# Altium PCB PCB_B1.PcbDoc (part 2 of 2)
Units mm, origin at the board's own origin, x right, y up, seen from the top; angles counter-clockwise.
Board outline 90 x 90 mm, 2 copper layers (Top Layer, Bottom Layer), stack 1.571 mm thick; 101 components, 77 nets, 393 pads, 275 vias.
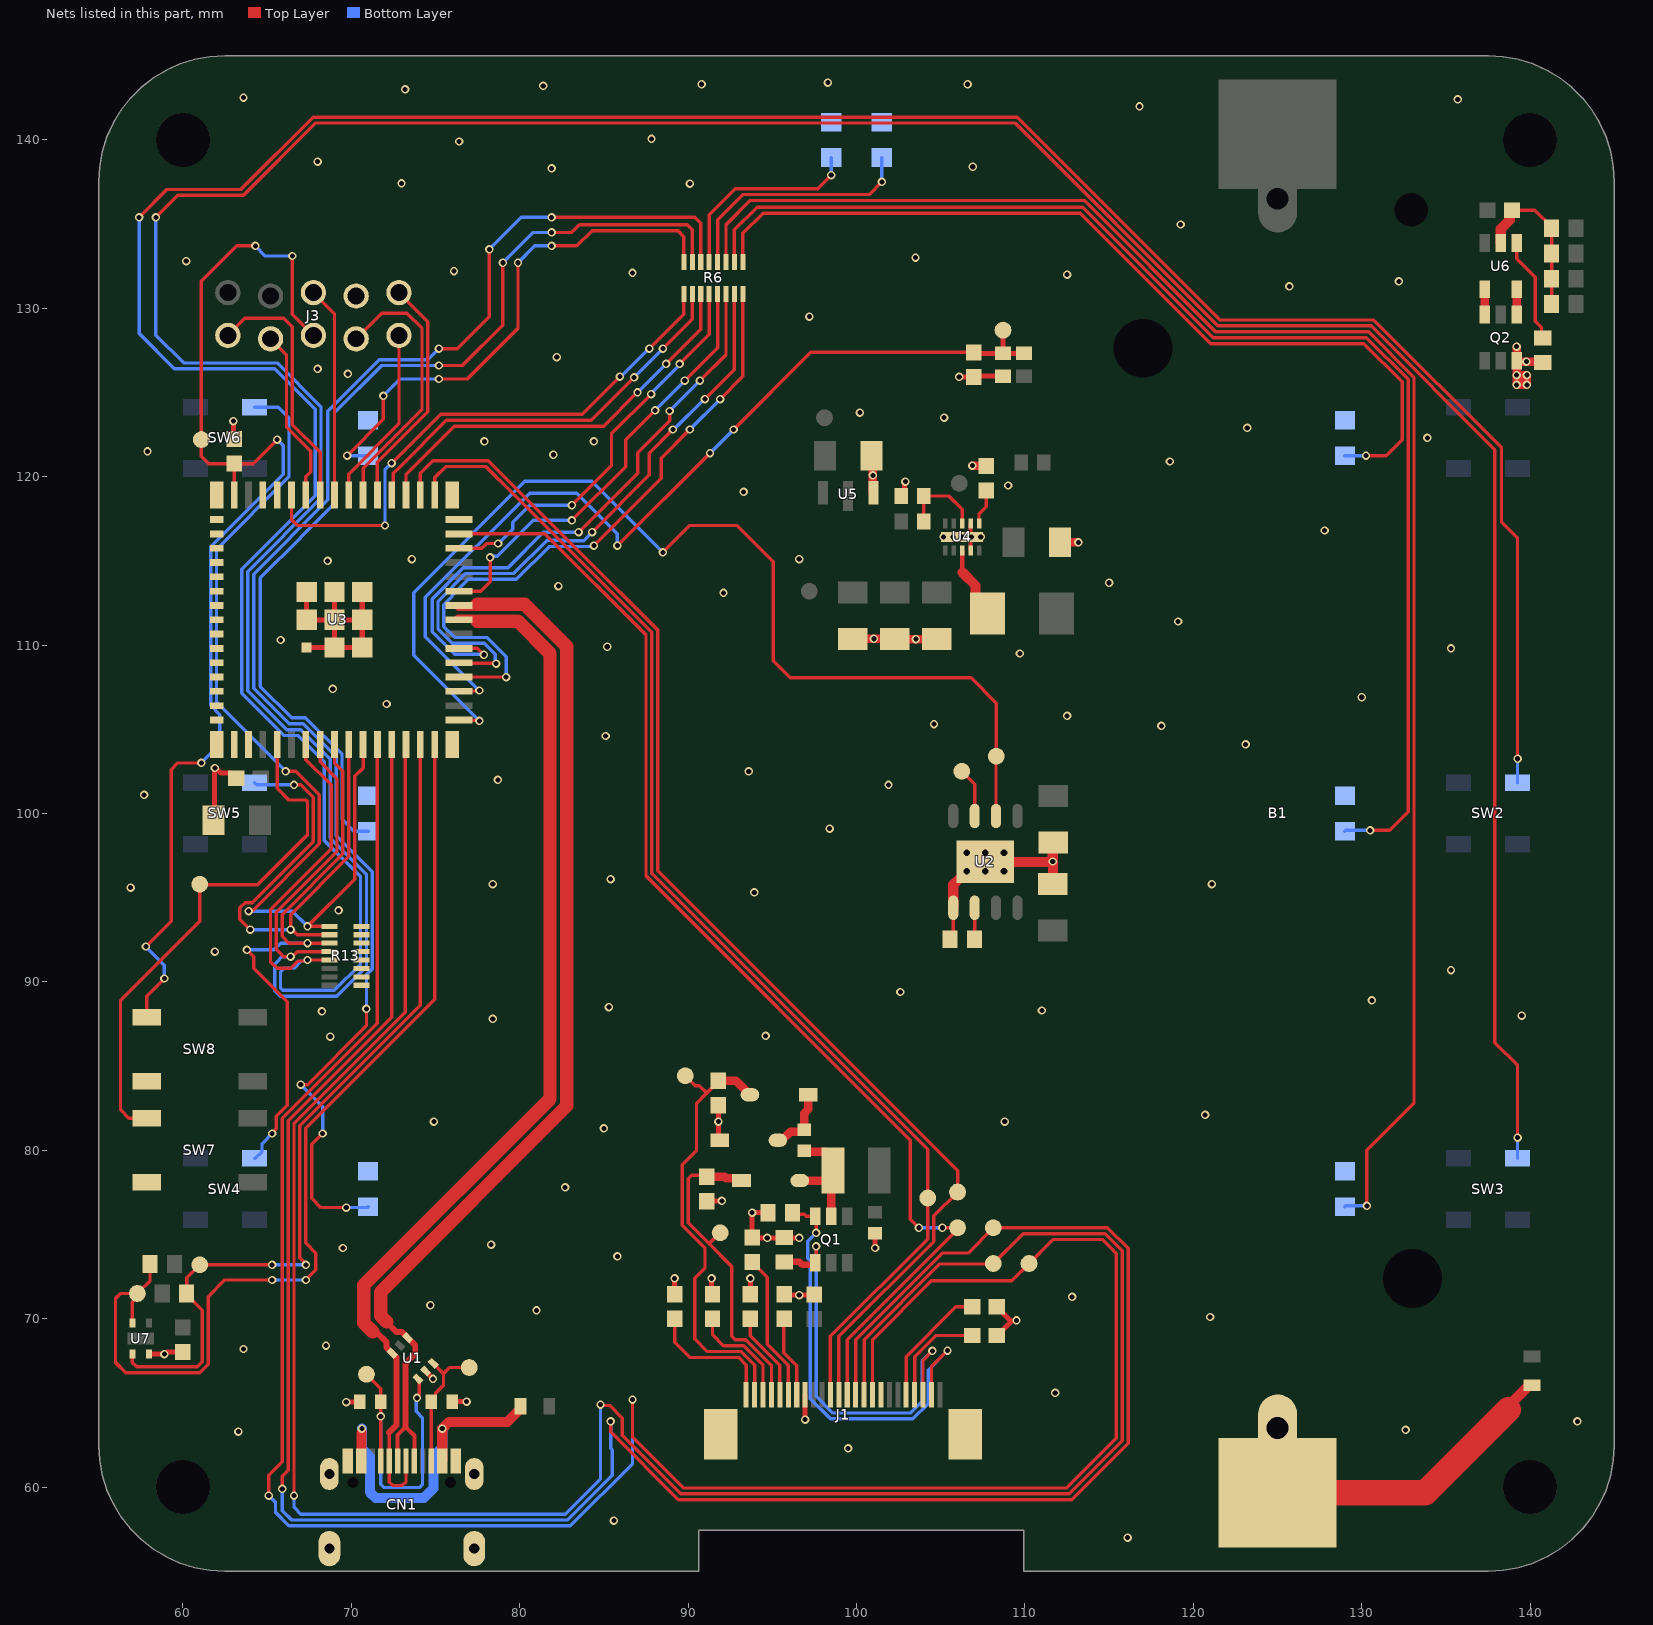
[diagram p2: the nets of this part, all layers, seen from the top]

## Via types
v1: diameter 0.5, hole 0.3, Top Layer to Bottom Layer, tented both sides, 269 vias
v2: diameter 0.6, hole 0.4, Top Layer to Bottom Layer, tented both sides, 6 vias

## Nets (pads, with @x,y where several pads share a name; then routed paths per layer and width w, separated by ;. In a path a pad name is that pad's centre, name@x,y a point inside that pad or via, vN(x,y) a via of type N, cw(c..) or ccw(c..) an arc to the next point about the centre after c; other vN are vias at no path point) (continued)
BTN_2: R13.5 SW2.1 U3.6 | length 196.7
  Top Layer w0.2: v1(57.4,135.4) 59.05,137.05 63.445,137.05 67.745,141.35 109.555,141.35 121.605,129.3 130.705,129.3 138.3,121.705 138.3,117.3 139.25,116.35 v1(139.25,103.25) ; U3.6@67.3,104.5 67.3,103.2 68.8,101.7 68.8,97.9 65.3,94.4 65.3,94.385 65.2,94.285 65.2,91.2 65.6,90.8 66.407,90.8 66.85,91.243 67.343,91.243 v1(67.4,91.3) R13.5@68.7,91.3
  Bottom Layer w0.2: v1(57.4,135.4) 57.4,128.5 59.5,126.4 65.451,126.4 67.85,124.001 67.85,118.855 63.5,114.505 63.5,107.151 66.023,104.628 66.845,104.628 68.4,103.073 68.4,98.395 70.55,96.245 70.55,91.055 68.995,89.5 65.917,89.5 65.8,89.617 65.8,90.6 66.025,90.825 66.625,90.825 67.043,91.243 67.343,91.243 v1(67.4,91.3) ; SW2.1@139.25,101.825 v1(139.25,103.25)
BTN_3: R13.4 SW3.1 U3.7 | length 216.4
  Top Layer w0.2: v1(58.4,135.4) 59.7,136.7 63.6,136.7 67.9,141 109.41,141 121.46,128.95 130.56,128.95 137.9,121.61 137.9,86.4 139.25,85.05 v1(139.25,80.75) ; U3.7@68.15,104.5 68.15,103.072 69.15,102.072 69.15,97.74 65.55,94.14 65.55,91.95 66,91.5 v1(66.4,91.5) 66.481,91.5 66.781,91.8 R13.4@68.7,91.8
  Bottom Layer w0.2: v1(58.4,135.4) 58.4,128.4 60.05,126.75 65.596,126.75 68.2,124.146 68.2,118.71 63.85,114.36 63.85,107.296 66.168,104.978 66.99,104.978 68.75,103.218 68.75,98.54 70.9,96.39 70.9,90.91 69.14,89.15 65.772,89.15 65.45,89.472 65.45,91.058 65.567,91.175 65.882,91.49 66.39,91.49 v1(66.4,91.5) ; SW3.1@139.25,79.525 v1(139.25,80.75)
BTN_4: R13.3 SW4.1 U3.8 | length 34.4
  Top Layer w0.2: v1(63.8,91.9) 64.2,91.5 64.2,90.81 65.16,89.85 66.2,88.81 66.2,82.685 65.55,82.035 65.55,81.267 65.3,81.017 v1(65.3,81) ; R13.3@68.7,92.3 v1(67.4,92.3) 66.3,92.3 65.9,92.7 65.9,93.995 69.5,97.595 69.5,102.5 69,103 U3.8@69,104.5
  Bottom Layer w0.2: v1(63.8,91.9) 65.4,91.9 65.8,92.3 v1(67.4,92.3) ; SW4.1@64.25,79.525 64.3,79.525 64.7,79.925 64.7,80.4 v1(65.3,81)
BTN_5: R13.2 SW5.1 U3.9 | length 31.7
  Top Layer w0.2: v1(64,93.1) 63.383,93.717 63.383,94.39 63.693,94.7 64.115,94.7 67.75,98.335 67.75,100.95 67,101.7 v1(66.6,101.7) ; R13.2@68.7,92.8 66.781,92.8 66.481,93.1 v1(66.4,93.1) 66.4,94 69.85,97.45 U3.9@69.85,104.5
  Bottom Layer w0.2: v1(64,93.1) v1(66.4,93.1) ; SW5.1@64.25,101.825 64.375,101.7 v1(66.6,101.7)
BTN_6: R13.1 SW6.1 U3.10 | length 55.9
  Top Layer w0.2: v1(63.9,94.2) 63.957,94.257 64.167,94.257 68.1,98.19 68.1,101.1 66.7,102.5 v1(66.1,102.5) ; R13.1@68.7,93.3 v1(67.4,93.3) 70.2,96.1 70.2,102.2 70.7,102.7 U3.10@70.7,104.5
  Bottom Layer w0.2: v1(63.9,94.2) 66.5,94.2 v1(67.4,93.3) ; SW6.1@64.25,124.125 65.675,124.125 66.3,123.5 66.3,120 62,115.7 62,106.6 v1(66.1,102.5)
CH_CHRG: TP4.1 U2.7 | length 3
  Top Layer w0.2: TP4.1@106.25,102.5 107.015,101.735 U2.7@107.015,99.85
CH_STDBY: TP5.1 U2.6 U3.16 | length 65.1
  Top Layer w0.2: U3.16@76,105.55 76.025,105.525 77.575,105.525 v1(77.6,105.5) ; v1(88.5,115.5) 90.1,117.1 92.9,117.1 95.05,114.95 95.05,109.072 96.072,108.05 106.8,108.05 108.3,106.55 TP5.1@108.3,103.4 108.285,103.385 U2.6@108.285,99.85
  Bottom Layer w0.2: v1(77.6,105.5) 73.7,109.4 73.7,113.119 80.298,119.717 84.283,119.717 v1(88.5,115.5)
DISP_BS: J1.8
DISP_BUSY: J1.9 TP14.1 U3.11 | length 140.7
  Top Layer w0.2: v1(65.1,59.5) 65.1,60.7 65.9,61.5 65.9,81.89 71.55,87.54 U3.11@71.55,104.5 ; v1(86.7,65.2) 86.7,62.968 89.718,59.95 112.482,59.95 115.425,62.893 115.425,73.875 115.255,74.045 115.255,74.055 114.61,74.7 111.664,74.7 TP14.1@110.243,73.279 109.224,72.26 104.445,72.26 100.95,68.765 J1.9@100.95,65.481
  Bottom Layer w0.2: v1(65.1,59.5) 65.5,59.1 65.5,58.5 66.3,57.7 83,57.7 86.7,61.4 v1(86.7,65.2)
DISP_CLK: J1.13 TP17.1 U3.32 | length 76
  Top Layer w0.2: U3.32@74.1,118.5 U3.32@74.1,118.9 74.1,120.2 74.85,120.95 78.145,120.95 83.6,115.495 88.2,110.895 88.2,96.597 106,78.797 TP17.1@106,77.521 104.582,76.104 104.582,74.582 98.95,68.95 J1.13@98.95,65.481
DISP_CS: J1.12 TP13.1 U3.29 | length 70.8
  Top Layer w0.2: U3.29@76,116.6 81.5,116.6 87.5,110.6 87.5,96.307 103.2,80.607 103.2,75.9 v1(103.7,75.4) ; J1.12@99.45,65.481 99.45,68.75 106,75.3 TP13.1@106,75.4 v1(105.1,75.4)
  Bottom Layer w0.2: v1(103.7,75.4) v1(105.1,75.4)
DISP_D/C: J1.11 TP16.1 U3.12 | length 141.4
  Top Layer w0.2: v1(65.9,59.9) 65.9,60.65 66.25,61 66.25,81.745 72.4,87.895 U3.12@72.4,104.5 ; v1(85.4,63.9) 85.4,63.278 89.428,59.25 112.772,59.25 116.125,62.603 116.125,74.175 114.9,75.4 TP16.1@108.121,75.4 106.621,73.9 105.095,73.9 99.95,68.755 J1.11@99.95,65.481
  Bottom Layer w0.2: v1(65.9,59.9) 65.9,58.6 66.45,58.05 82.855,58.05 85.5,60.695 85.5,62.207 85.4,62.307 v1(85.4,63.9)
DISP_GDR: J1.2 Q1.6 R19.2 | length 27.1
  Top Layer w0.2: R19.2@96.2,76.3 96.3,76.2 96.9,76.2 97.025,76.075 Q1.6@97.55,76.075 97.6,76.025 v1(97.6,75.1) ; J1.2@104.45,65.481 104.45,67.15 v1(105.4,68.1)
  Bottom Layer w0.2: v1(97.6,75.1) 97.1,74.6 97.1,73.6 97.25,73.45 97.25,65.255 98.455,64.05 103.345,64.05 104.25,64.955 104.25,66.95 v1(105.4,68.1)
DISP_PREVGH: C10.1 D3.1 J1.21 TP12.1 | length 19.6
  Top Layer w0.2: C10.1@91.1,78.427 91,78.527 90.227,78.527 90,78.3 90,75.7 91.2,74.5 ; TP12.1@91.9,75.1 91.3,74.5 91.2,74.5 ; J1.21@94.95,65.481 94.95,67.235 93.435,68.75 92.8,68.75 92.6,68.95 92.6,73.1 91.2,74.5
  Top Layer w0.5: C10.1@91.1,78.427 92.173,78.427 92.259,78.341 93.029,78.341 D3.1@93.17,78.2
DISP_PREVGL: C12.1 D1.2 J1.23 TP11.1 | length 26.9
  Top Layer w0.2: TP11.1@89.832,84.428 90.422,83.838 90.662,83.838 91.098,83.402 ; C12.1@91.8,84.127 91.8,84.104 91.098,83.402 ; J1.23@93.95,65.481 93.95,67.245 93.145,68.05 91.15,68.05 90.4,68.8 90.4,72.4 91,73 91,74.205 89.65,75.555 89.65,79.15 90.5,80 90.5,82.804 91.098,83.402
  Top Layer w0.5: C12.1@91.8,84.127 92.843,84.127 93.434,83.536 93.434,83.477 93.61,83.3 D1.2@93.67,83.3
DISP_RESE: J1.3 Q1.1 R3.2 | length 25
  Top Layer w0.2: Q1.1@97.55,73.325 97.6,73.375 v1(97.6,74.3) ; J1.3@103.95,65.481 103.95,67.543 v1(104.504,68.096)
  Top Layer w0.4: R3.2@95.7,73.375 96.625,73.375 96.8,73.2 97.45,73.2 97.55,73.3 Q1.1@97.55,73.325
  Bottom Layer w0.2: v1(97.6,74.3) 97.6,65.4 98.6,64.4 103.2,64.4 103.9,65.1 103.9,67.493 v1(104.504,68.096)
DISP_RST: J1.10 TP18.1 U3.13 | length 140.1
  Top Layer w0.2: v1(66.6,59.5) 66.6,81.6 73.2,88.2 73.2,104.45 U3.13@73.25,104.5 ; v1(84.8,64.9) 84.85,64.85 85.35,64.85 86.1,64.1 86.1,63.073 89.573,59.6 112.627,59.6 115.775,62.748 115.775,74.03 114.755,75.05 109.893,75.05 TP18.1@108.121,73.279 108.093,73.25 104.94,73.25 100.45,68.76 J1.10@100.45,65.481
  Bottom Layer w0.2: v1(66.6,59.5) 66.6,58.8 67,58.4 82.7,58.4 84.8,60.5 v1(84.8,64.9)
DISP_SDI: J1.14 TP15.1 U3.31 | length 73.1
  Top Layer w0.2: U3.31@74.95,118.5 74.95,119.95 75.6,120.6 78,120.6 79.7,118.9 87.85,110.75 87.85,96.452 104.232,80.07 104.232,74.732 98.45,68.95 J1.14@98.45,65.481
ESP_DBG_RX: J3.7 U3.40 | length 10.8
  Top Layer w0.2: J3.7@65.21,128.185 66.15,127.245 66.15,122.95 67.6,121.5 67.6,120.3 67.3,120 U3.40@67.3,118.5
ESP_DBG_TX: J3.6 U3.39 | length 15.5
  Top Layer w0.2: J3.6@62.67,128.385 63.685,129.4 66,129.4 66.5,128.9 66.5,123.095 68.15,121.445 U3.39@68.15,118.5
ESP_EN: C16.1 J3.8 SW8.2 TP3.1 U3.45 | length 69.7
  Top Layer w0.2: v1(57.8,92.1) 59.3,93.6 59.3,102.6 59.7,103 v1(61.1,103) ; SW8.2@57.85,87.9 57.85,89.15 v1(58.9,90.2) ; U3.45@63.05,118.5 C16.1@63.05,120.775 ; v1(64.3,133.7) 63.2,133.7 61.1,131.6 TP3.1@61.1,122.2 61.1,121.2 61.525,120.775 C16.1@63.05,120.775 ; v1(65.6,122.2) 64.175,120.775 C16.1@63.05,120.775 ; v1(66.5,133.1) 66.5,129.635 J3.8@67.75,128.385
  Bottom Layer w0.2: v1(57.8,92.1) 58.9,91 v1(58.9,90.2) ; v1(61.1,103) 62.2,104.1 62.2,105.875 61.65,106.425 61.65,115.845 65.95,120.145 65.95,121.85 v1(65.6,122.2) ; v1(64.3,133.7) 64.9,133.1 v1(66.5,133.1)
ESP_IO0: SW7.2 TP19.1 U3.4 | length 31.8
  Top Layer w0.2: SW7.2@57.85,81.9 56.8,81.9 56.3,82.4 56.3,88.9 61,93.6 TP19.1@61,95.8 61.025,95.775 64.432,95.775 67.4,98.743 67.4,100.683 67.283,100.8 66.3,100.8 65.6,101.5 U3.4@65.6,104.5
ESP_SCL: R17.1 TP9.1 U3.15 U7.2 | length 61.2
  Top Layer w0.2: U7.2@57,69.75 57,70.984 57.3,71.284 TP9.1@57.3,71.5 ; R17.1@58.05,73.25 58.05,72.25 TP9.1@57.3,71.5 ; v1(65.3,72.3) 62.5,72.3 61.5,71.3 61.5,67.3 61,66.8 56.6,66.8 56,67.4 56,71.2 56.3,71.5 TP9.1@57.3,71.5 ; v1(67.3,72.3) 67.9,72.9 67.9,73.9 67.3,74.5 67.3,81.31 74.95,88.96 U3.15@74.95,104.5
  Bottom Layer w0.2: v1(65.3,72.3) v1(67.3,72.3)
ESP_SDA: R18.1 TP10.1 U3.14 U7.3 | length 52.5
  Top Layer w0.2: U7.3@57,67.9 57,67.4 57.25,67.15 60.855,67.15 61.15,67.445 61.15,70.5 60.225,71.425 R18.1@60.225,71.5 ; R18.1@60.575,71.85 R18.1@60.225,71.5 ; v1(65.3,73.2) TP10.1@61,73.2 60.225,72.425 R18.1@60.225,71.5 ; v1(67.3,73.2) 67.3,73.278 66.95,73.628 66.95,81.455 74.1,88.605 U3.14@74.1,104.5
  Bottom Layer w0.2: v1(65.3,73.2) v1(67.3,73.2)
ESP_TCK: J3.1 U3.35 | length 14.4
  Top Layer w0.2: U3.35@71.55,118.5 71.55,120.86 74.55,123.86 74.55,129.205 J3.1@72.83,130.925
ESP_TDI: J3.10 U3.37 | length 11.1
  Top Layer w0.2: U3.37@69.85,118.5 69.85,120.15 72.83,123.13 J3.10@72.83,128.385
ESP_TDO: J3.9 U3.36 | length 16.7
  Top Layer w0.2: J3.9@70.29,128.185 71.805,129.7 73.3,129.7 74.2,128.8 74.2,124.005 70.7,120.505 U3.36@70.7,118.5
ESP_TMS: J3.3 U3.38 | length 12.9
  Top Layer w0.2: J3.3@67.75,130.925 69,129.675 U3.38@69,118.5
GND: C2.2 C4.2 C5.2 C6.2 C7.2 C8.2 C9.2 C10.2 C11.2 C12.2 C13.2 C14.2 C15.2 C16.2 C17.2 C18.2 C19.2 C20.2 C21.2 C22.2 C23.2 C24.2 C26.2 C27.2 CN1.A1 CN1.A12 CN1.B1 CN1.B12 CN1.SHELL1 CN1.SHELL2 CN1.SHELL3 CN1.SHELL4 D2.1 J1.17 J1.MP1 J1.MP2 J3.2 LED1.1 LED2.1 LED3.1 LED4.1 LED5.1 LED6.1 LED7.1 LED8.1 Q2.3 R1.1 R2.1 R3.1 R7.1 R10.1 R13.9 R13.10 R13.11 R13.12 R13.13 R13.14 R13.15 R13.16 R14.1 R16.1 R19.1 SW7.4 SW8.4 U1.2 U2.1 U2.9 U3.1 U3.2 U3.30 U3.42 U3.43 U3.46 U3.47 U3.48 U3.49 U3.50 U3.51 U3.52 U3.53 U3.54 U3.55 U3.56 U3.57 U3.58 U3.59 U3.60 U3.61 U3.61_1 U3.61_2 U3.61_3 U3.61_4 U3.61_5 U3.61_6 U3.61_7 U3.61_8 U3.62 U3.63 U3.64 U3.65 U4.2 U4.9 U4.PAD U5.1 U7.4 | length 74.9
  Top Layer w0.2: R14.1@105.55,92.525 105.745,92.72 U2.1@105.745,94.4
  Top Layer w0.25: U4.9@106.775,115.625 106.775,116.375 v1(106.825,116.425) 106.775,116.475 U4.2@106.775,117.225
  Top Layer w0.3: U7.4@58,67.9 v1(58.9,67.9) 58.954,67.9 59.077,68.023 C27.2@60,68.023 ; C17.2@61.824,99.6 61.824,99.8 61.975,99.951 61.875,100.051 61.875,102.675 v1(61.9,102.7) 61.954,102.7 62.248,102.406 62.867,102.406 C18.2@63.173,102.1 ; v1(63,123.3) 63,122.279 C16.2@63.05,122.229 ; U3.61_8@67.35,109.85 U3.61_1@69,109.85 ; U3.61_6@67.35,113.15 U3.61_7@67.35,111.5 U3.61@69,111.5 ; U3.61_5@69,113.15 U3.61@69,111.5 ; v1(69.7,65.05) 69.713,65.063 70.488,65.063 R2.1@70.5,65.075 ; U3.61_4@70.65,113.15 U3.61_3@70.65,111.5 ; U1.2@74.41,66.89 74.41,66.877 74.85,66.438 v1(74.85,66.425) ; R1.1@76,65.075 v1(76.85,65.075) ; C13.2@89.2,71.454 v1(89.2,72.4) ; C10.2@91.1,76.973 91.127,77 v1(92,77) ; v1(91.4,72.4) 91.4,71.504 C11.2@91.45,71.454 ; C12.2@91.8,82.673 91.8,80.67 D2.1@91.87,80.6 ; C9.2@93.7,71.454 v1(93.7,72.4) ; R19.1@94.75,76.3 v1(93.8,76.3) C8.2@93.8,74.827 93.827,74.8 v1(94.7,74.8) 95.675,74.8 R3.1@95.7,74.825 95.725,74.8 v1(96.6,74.8) ; C7.2@95.7,71.454 95.754,71.4 v1(96.6,71.4) 97.471,71.4 C6.2@97.5,71.429 ; v1(96.95,64.004) J1.17@96.95,65.481 ; v1(101.1,74.2) C2.2@101.1,75.073 ; R7.1@102.65,118.85 102.862,119.062 102.862,119.662 v1(102.9,119.7) ; v1(106.1,125.925) 106.948,125.925 C26.2@106.95,125.923 107.002,125.975 R16.1@108.7,125.975 ; C4.2@108.327,69 108.35,69 109.212,69.862 109.462,69.862 v1(109.5,69.9) ; C5.2@108.327,70.7 108.35,70.7 108.656,70.394 108.656,70.371 109.188,69.838 ; U3.61_1@69,109.85 U3.61@69,111.5 ; U3.61_1@69,109.85 U3.61_2@70.65,109.85 U3.61_3@70.65,111.5 ; U3.61@69,111.5 U3.61_3@70.65,111.5
  Top Layer w0.5: C23.2@99.775,110.374 99.776,110.375 v1(101.025,110.375) 102.274,110.375 C22.2@102.275,110.374 102.299,110.35 v1(103.525,110.35) 104.751,110.35 C21.2@104.775,110.374 ; C24.2@100.876,121.25 100.975,121.151 v1(100.975,120.075) 100.975,119.075 U5.1@101,119.05 ; v1(106.875,120.65) 107.677,120.65 C20.2@107.7,120.627 ; C19.2@112.076,116.1 v1(113.175,116.1) ; v1(139.2,127.725) Q2.3@139.2,126.875 ; R10.1@140.75,126.775 140.7,126.825 v1(139.775,126.825) 139.25,126.825 Q2.3@139.2,126.875 ; v1(139.2,126.025) v1(139.8,126.025) ; v1(139.2,126.025) v1(139.2,125.45) 139.5,125.45 ; v1(139.2,126.025) Q2.3@139.2,126.875 ; 139.5,125.45 139.5,125.725 v1(139.8,126.025) ; 139.5,125.45 v1(139.8,125.45) v1(139.8,126.025)
  Top Layer w0.6: U2.1@105.745,94.4 105.745,95.77 106.14,96.165 106.245,96.165 106.55,96.47 v2(106.55,96.575) ; U2.9@107.65,97.125 111.625,97.125 v1(111.65,97.15) ; C14.2@111.65,95.801 111.662,95.814 111.662,97.137 v1(111.65,97.15) ; C15.2@111.675,98.274 111.65,98.249 v1(111.65,97.15)
  other v1: 116.1,57 85.591,58.011 99.5,62.3 63.3,63.3 132.6,63.4 142.8,63.9 111.8,65.6 63.6,68.2 68.5,68.4 121,70.1 81,70.5 74.7,70.8 112.8,71.3 85.8,73.7 69.5,74.2 78.3,74.4 82.7,77.8 85,81.3 74.9,81.7 91.8,81.7 108.8,81.7 120.7,82.1 68.75,86.75 94.6,86.8 78.4,87.8 139.5,88 68.25,88.25 111,88.3 85.3,88.5 130.6,88.9 102.6,89.4 135.3,90.7 61.9,91.8 69.25,94.25 93.926,95.321 56.9,95.6 78.4,95.8 121.1,95.8 85.4,96.1 98.4,99.1 57.7,101.1 101.9,101.7 78.7,102 93.6,102.5 123.1,104.1 85.1,104.6 118.1,105.2 104.6,105.3 112.5,105.8 72.1,106.5 130,106.9 68.9,107.4 109.7,109.5 135.3,109.8 85.2,109.9 65.8,110.3 119.1,111.4 92.1,113.1 82.3,113.5 115,113.7 68.6,115 73.6,115.1 96.6,115.1 105.175,116.425 105.725,116.425 106.275,116.425 107.375,116.425 127.8,116.8 93.3,119.1 109,119.475 118.6,120.9 82,121.3 57.9,121.5 77.9,122.1 84.4,122.1 133.9,122.3 123.2,122.9 105.2,123.5 100.2,123.8 69.8,126.1 68,126.4 82.2,127.1 97.2,129.5 125.7,131.3 132.2,131.6 112.5,132 86.7,132.1 76.1,132.2 60.2,132.8 103.5,133 119.242,134.972 90.1,137.4 72.982,137.412 81.9,138.3 106.9,138.4 68,138.7 76.4,139.9 87.826,140.056 116.802,141.987 135.7,142.4 63.6,142.5 73.2,143 81.4,143.2 90.8,143.3 106.6,143.3 98.3,143.4
  other v2: 107.65,96.575 108.75,96.575 106.55,97.675 107.65,97.675 108.75,97.675
LED_1: R6.16 U3.19 | length 39.1
  Top Layer w0.2: U3.19@76,108.1 v1(79.2,108.1) ; v1(84.4,115.9) 88.4,119.9 88.4,121.1 v1(90.1,122.8) ; v1(91.9,124.6) 93.25,125.95 R6.16@93.25,130.85
  Bottom Layer w0.2: v1(79.2,108.1) 79.2,109.295 78.045,110.45 76.15,110.45 75.5,111.1 75.5,112.4 75.978,112.878 75.978,112.922 76.956,113.9 79.803,113.9 81.753,115.85 84.35,115.85 v1(84.4,115.9) ; v1(90.1,122.8) v1(91.9,124.6)
LED_2: R6.15 U3.20 | length 37.4
  Top Layer w0.2: U3.20@76,108.95 76.025,108.925 78.575,108.925 v1(78.6,108.9) ; v1(84.3,116.7) 87.7,120.1 87.7,121.4 v1(89.1,122.8) ; v1(91,124.6) 92.75,126.35 R6.15@92.75,130.85
  Bottom Layer w0.2: v1(78.6,108.9) 78.55,108.95 78.55,109.45 77.9,110.1 76,110.1 75.15,110.95 75.15,112.589 76.811,114.25 79.658,114.25 81.625,116.217 82.583,116.217 82.6,116.2 83.8,116.2 v1(84.3,116.7) ; v1(89.1,122.8) 89.15,122.8 90.95,124.6 v1(91,124.6)
LED_3: R6.14 U3.21 | length 35.7
  Top Layer w0.2: U3.21@76,109.8 77.493,109.8 v1(77.868,109.425) ; v1(83.5,116.7) 87,120.2 87,121.407 88.9,123.307 v1(88.9,123.9) ; v1(90.7,125.7) 92.25,127.25 R6.14@92.25,130.85
  Bottom Layer w0.2: v1(77.868,109.425) 77.843,109.45 76.15,109.45 74.8,110.8 74.8,112.734 76.683,114.617 76.7,114.6 79.306,114.6 81.406,116.7 v1(83.5,116.7) ; v1(88.9,123.9) v1(90.7,125.7)
LED_4: R6.9 U3.41 | length 32.8
  Top Layer w0.2: U3.41@66.45,118.5 66.45,117.45 66.8,117.1 v1(72,117.1) ; v1(72.4,120.8) 75.3,123.7 83.708,123.7 v1(85.943,125.934) ; v1(87.7,127.6) 89.75,129.65 R6.9@89.75,130.85
  Bottom Layer w0.2: v1(72,117.1) 72,120.4 v1(72.4,120.8) ; v1(85.943,125.934) 85.989,125.934 87.654,127.6 v1(87.7,127.6)
LED_5: R6.10 U3.34 | length 24.8
  Top Layer w0.2: U3.34@72.4,118.5 72.5,118.6 72.5,120.193 72.9,120.593 72.9,120.6 75.65,123.35 84.25,123.35 v1(86.8,125.9) ; v1(88.5,127.6) 90.25,129.35 R6.10@90.25,130.85
  Bottom Layer w0.2: v1(86.8,125.9) v1(88.5,127.6)
LED_6: R6.11 U3.33 | length 24.8
  Top Layer w0.2: U3.33@73.25,118.5 73.25,120.145 76.105,123 84.986,123 v1(86.994,125.008) ; v1(88.7,126.7) 90.75,128.75 R6.11@90.75,130.85
  Bottom Layer w0.2: v1(86.994,125.008) 87.001,125.008 88.693,126.7 v1(88.7,126.7)
LED_7: R6.12 U3.28 | length 24.3
  Top Layer w0.2: U3.28@76,115.75 77.75,115.75 78.029,116.029 v1(78.721,116.029) ; v1(83.1,118.3) 85.45,120.65 85.45,122.55 v1(87.8,124.9) ; v1(89.5,126.7) 91.25,128.45 R6.12@91.25,130.85
  Bottom Layer w0.2: v1(78.721,116.029) 79.579,116.886 79.579,117.279 80.6,118.3 v1(83.1,118.3) ; v1(87.8,124.9) 87.8,124.95 89.5,126.65 v1(89.5,126.7)
LED_8: R6.13 U3.25 | length 26.7
  Top Layer w0.2: U3.25@76,113.2 77.7,113.2 78.25,113.75 v1(78.25,115.208) ; v1(83.1,117.4) 86.3,120.6 86.3,122.192 v1(88.043,123.934) ; v1(89.8,125.7) 91.75,127.65 R6.13@91.75,130.85
  Bottom Layer w0.2: v1(78.25,115.208) 78.307,115.265 78.665,115.265 80.8,117.4 v1(83.1,117.4) ; v1(88.043,123.934) 88.043,123.939 89.8,125.696 v1(89.8,125.7)
NetB1_POS: B1.POS F2.1 | length 17.9
  Top Layer w0.6: 138.7,64.6 138.7,64.8 139.95,66.05 F2.1@140.1,66.05
  Top Layer w1.5: B1.POS@125,59.666 133.766,59.666 138.7,64.6
NetC1_1: C1.1 D1.1 D2.2 | length 4
  Top Layer w0.5: D2.2@95.33,80.6 95.569,80.6 96.067,81.098 96.771,81.098 C1.1@96.9,81.227 96.9,82.2 97.13,82.43 D1.1@97.13,83.3
NetC1_2: C1.2 D3.2 L1.2 Q1.5 | length 7.7
  Top Layer w0.5: D3.2@96.63,78.2 98.173,78.2 L1.2@98.5,78.527 ; C1.2@96.9,79.973 96.97,79.903 98.173,79.903 98.6,79.476 L1.2@98.6,78.8 ; Q1.5@98.5,76.075 L1.2@98.5,78.527 ; L1.2@98.5,78.527 98.6,78.627 L1.2@98.6,78.8 ; L1.2@98.5,78.527 98.5,78.7 L1.2@98.6,78.8
NetC4_1: C4.1 J1.4 | length 6.2
  Top Layer w0.2: J1.4@103.45,65.481 103.45,67.75 104.7,69 C4.1@106.873,69
NetC5_1: C5.1 J1.5 | length 7.4
  Top Layer w0.2: J1.5@102.95,65.481 102.95,67.745 105.905,70.7 C5.1@106.873,70.7
NetC7_1: C7.1 J1.18 | length 4.8
  Top Layer w0.2: C7.1@95.7,70 95.685,69.985 95.685,67.985 96.45,67.22 J1.18@96.45,65.481
NetC8_1: C8.1 J1.19 | length 8.8
  Top Layer w0.2: C8.1@93.8,73.373 93.8,73.35 94.7,72.45 94.7,68.475 95.95,67.225 J1.19@95.95,65.481
NetC9_1: C9.1 J1.20 | length 5.2
  Top Layer w0.2: C9.1@93.7,70 93.7,68.98 95.45,67.23 J1.20@95.45,65.481
NetC11_1: C11.1 J1.22 | length 6.5
  Top Layer w0.2: C11.1@91.45,70 91.45,69.05 92.1,68.4 93.29,68.4 94.45,67.24 J1.22@94.45,65.481
NetC13_1: C13.1 J1.24 | length 8
  Top Layer w0.2: C13.1@89.2,70 89.2,68.6 90.1,67.7 93,67.7 93.45,67.25 J1.24@93.45,65.481
NetC20_1: C20.1 U4.1 | length 2.1
  Top Layer w0.2: U4.1@107.275,117.225 107.275,117.8 107.7,118.225 C20.1@107.7,119.173
NetC25_1: C25.1 R8.2 R9.2 R11.2 R12.2 U6.2 | length 9.6
  Top Layer w0.2: C25.1@138.927,135.825 140.275,135.825 141.275,134.825 R8.2@141.275,134.75 R11.2@141.275,131.75 R9.2@141.275,130.25
  Top Layer w0.6: U6.2@138.25,133.875 138.25,134.7 138.798,135.248 138.798,135.696 C25.1@138.927,135.825
NetCN1_A4: CN1.A4 CN1.A9 CN1.B4 CN1.B9 F1.2 | length 24.7
  Top Layer w0.3: CN1.A4@70.45,61.55 70.45,63.246 70.625,63.421 v1(70.625,63.475) 70.74,63.36 70.74,61.56 CN1.B9@70.75,61.55
  Top Layer w0.31: CN1.B4@75.25,61.55 75.25,63.274 ; CN1.A9@75.55,61.55 75.55,63.274
  Top Layer w0.6: v1@75.4,63.424 v1(75.4,63.475) 75.8,63.875 79.275,63.875 80.05,64.65 F1.2@80.05,64.8
  Bottom Layer w0.6: v1(70.625,63.475) 70.625,62.3 71.1,61.825 71.1,59.701 71.451,59.35 74.3,59.35 74.875,59.925 74.875,61.825 75.425,62.375 75.425,63.45 v1(75.4,63.475)
NetL2_2: L2.2 U4.8 | length 4.4
  Top Layer w0.25: U4.8@106.275,115.625 106.275,114.325 106.3,114.3
  Top Layer w0.6: 106.3,114.3 107.064,113.536 107.064,112.586 L2.2@107.775,111.875
NetLED1_2: LED1.2 R6.1 | length 52.7
  Top Layer w0.2: R6.1@93.25,132.75 93.25,134.45 94.45,135.65 113.275,135.65 121.025,127.9 130.125,127.9 132.4,125.625 132.4,122.2 131.45,121.25 v1(130.25,121.25)
  Bottom Layer w0.2: LED1.2@129,121.25 v1(130.25,121.25)
NetLED2_2: LED2.2 R6.2 | length 76.6
  Top Layer w0.2: R6.2@92.75,132.75 92.75,134.65 94.1,136 113.42,136 121.17,128.25 130.27,128.25 132.75,125.77 132.75,100.1 131.65,99 v1(130.5,99)
  Bottom Layer w0.2: LED2.2@129,98.95 129.05,99 v1(130.5,99)
NetLED3_2: LED3.2 R6.3 | length 99.7
  Top Layer w0.2: R6.3@92.25,132.75 92.25,134.95 93.7,136.4 113.515,136.4 121.315,128.6 130.415,128.6 133.1,125.915 133.1,82.8 130.3,80 v1(130.3,76.7)
  Bottom Layer w0.2: LED3.2@129,76.65 129.05,76.7 v1(130.3,76.7)
NetLED4_2: LED4.2 R6.8 | length 31.5
  Top Layer w0.2: v1(69.75,121.25) 71.9,123.4 v1(71.9,124.8) ; v1(75.2,125.8) 76.9,125.8 79.9,128.8 v1(79.9,132.7) ; v1(81.9,133.7) 83.4,133.7 84.3,134.6 89.4,134.6 89.75,134.25 R6.8@89.75,132.75
  Bottom Layer w0.2: v1(69.75,121.25) LED4.2@71,121.25 ; v1(71.9,124.8) 72.9,125.8 v1(75.2,125.8) ; v1(79.9,132.7) 80.9,133.7 v1(81.9,133.7)
NetLED5_2: LED5.2 R6.7 | length 60.4
  Top Layer w0.2: v1(75.2,126.6) 76.6,126.6 79,129 v1(79,132.7) ; v1(81.9,134.5) 83.1,134.5 83.55,134.95 89.95,134.95 90.25,134.65 R6.7@90.25,132.75
  Bottom Layer w0.2: LED5.2@71,98.95 70.15,98.95 69.45,99.65 69.45,103.508 67.28,105.678 66.458,105.678 64.6,107.536 64.6,113.985 67,116.385 67,116.4 69,118.4 69,123.8 71.8,126.6 v1(75.2,126.6) ; v1(79,132.7) 80.8,134.5 v1(81.9,134.5)
NetLED6_2: LED6.2 R6.6 | length 90.1
  Top Layer w0.2: v1(67,83.9) 67.415,83.9 70.9,87.385 v1(70.9,88.4) ; v1(68.3,81) 67.65,80.35 67.65,77.15 68.2,76.6 v1(69.7,76.6) ; v1(75.2,127.6) 76.3,127.6 78.2,129.5 v1(78.2,133.5) ; v1(81.9,135.4) 90.4,135.4 90.75,135.05 R6.6@90.75,132.75
  Bottom Layer w0.2: v1(67,83.9) 68.3,82.6 v1(68.3,81) ; v1(69.7,76.6) 70.95,76.6 LED6.2@71,76.65 ; v1(70.9,88.4) 70.9,90.415 71.25,90.765 71.25,96.535 69.1,98.685 69.1,103.363 67.135,105.328 66.313,105.328 64.2,107.441 64.2,114.215 68.6,118.615 68.6,123.895 71.655,126.95 74.55,126.95 v1(75.2,127.6) ; v1(78.2,133.5) 80.1,135.4 v1(81.9,135.4)
NetLED7_2: LED7.2 R6.5 | length 12.1
  Top Layer w0.2: R6.5@91.25,132.75 91.25,135.55 92.8,137.1 97.7,137.1 v1(98.5,137.9)
  Bottom Layer w0.2: v1(98.5,137.9) LED7.2@98.5,138.95
NetLED8_2: LED8.2 R6.4 | length 14.6
  Top Layer w0.2: R6.4@91.75,132.75 91.75,135.25 93.25,136.75 100.75,136.75 v1(101.5,137.5)
  Bottom Layer w0.2: v1(101.5,137.5) LED8.2@101.5,138.95
NetQ2_4: Q2.4 U6.5 | length 1.5
  Top Layer w0.5: Q2.4@139.2,129.625 U6.5@139.2,131.125
NetQ2_6: Q2.6 U6.4 | length 1.5
  Top Layer w0.5: Q2.6@137.3,129.625 U6.4@137.3,131.125
NetR5_1: R5.1 R7.2 U4.3 | length 4.9
  Top Layer w0.2: R5.1@104,117.35 R7.2@104,118.85 105.475,118.85 106.275,118.05 U4.3@106.275,117.225
NetR10_2: R10.2 U6.1 | length 6.3
  Top Layer w0.2: U6.1@139.2,133.875 139.2,132.95 140.3,131.85 140.3,129.225 140.675,128.85 140.675,128.3 R10.2@140.75,128.225
NetR14_2: R14.2 U2.2 | length 1.9
  Top Layer w0.2: R14.2@107,92.525 107.015,92.54 U2.2@107.015,94.4
USB_CC1: CN1.A5 R2.2 TP1.1 U1.1 | length 18.7
  Top Layer w0.2: TP1.1@70.9,66.7 71.75,65.85 R2.2@71.75,65.075 v1(71.75,64.2) CN1.A5@71.75,61.55 ; v1(73.9,65.3) 73.9,65.381 74.039,65.52 74.039,66.342 U1.1@73.951,66.43
  Bottom Layer w0.2: v1(71.75,64.2) 71.75,60.175 71.95,59.975 74.05,59.975 74.225,60.15 74.225,64.125 73.85,64.5 73.85,65.25 v1(73.9,65.3)
USB_CC2: CN1.B5 R1.2 TP2.1 U1.3 | length 8
  Top Layer w0.2: CN1.B5@74.75,61.55 R1.2@74.75,65.075 75,65.325 75,65.575 75.475,66.05 75.475,66.744 ; U1.3@74.87,67.349 75.475,66.744 ; TP2.1@77,67.1 75.831,67.1 75.475,66.744
USB_N: CN1.A7 CN1.B7 U1.6 U3.23 | length 64
  Top Layer w0.2: 72.25,63.25 CN1.B7@72.25,61.55 72.25,60.3 72.45,60.1 73.025,60.1 73.25,60.325 CN1.A7@73.25,61.55
  Top Layer w0.35: 71.287,69.213 71.487,69.213 72.1,68.6 72.1,68.281 U1.6@72.43,67.951 72.675,67.706 72.675,63.675 72.25,63.25 ; U3.23@76,111.5 76.2,111.5 76.35,111.65 76.825,111.65 77.25,111.65 77.475,111.425
  Top Layer w0.8: 71.287,69.213 70.75,69.75 70.75,72 81.8,83.05 81.8,109.5 79.875,111.425 77.475,111.425
USB_P: CN1.A6 CN1.B6 U1.4 U3.24 | length 64.6
  Top Layer w0.25: CN1.A6@72.75,61.55 72.75,63.1 73.225,63.575 73.75,63.05 CN1.B6@73.75,61.55
  Top Layer w0.35: 72.094,69.82 72.094,69.806 72.7,69.2 73.019,69.2 U1.4@73.349,68.87 ; 73.225,63.575 73.225,67.35 73.8,67.925 73.8,68.419 U1.4@73.376,68.844 ; U3.24@76,112.35 76.2,112.35 76.35,112.2 77.053,112.2 77.25,112.2 77.475,112.425
  Top Layer w0.8: 72.094,69.82 71.75,70.164 71.75,71.586 82.8,82.636 82.8,109.914 80.289,112.425 77.475,112.425
VBAT_ADC: C26.1 R15.1 R16.2 TP8.1 U3.18 | length 54.4
  Top Layer w0.2: U3.18@76,107.25 76.025,107.275 77.575,107.275 v1(77.6,107.3) ; v1(85.8,115.9) v1(91.3,121.4) ; v1(92.7,122.8) 97.277,127.377 C26.1@106.95,127.377
  Top Layer w0.3: C26.1@106.95,127.377 107.002,127.325 R16.2@108.7,127.325 ; TP8.1@108.7,128.7 R16.2@108.7,127.325 ; R15.1@109.95,127.325 R16.2@108.7,127.325
  Bottom Layer w0.2: v1(77.6,107.3) 74.4,110.5 74.4,112.829 80.588,119.017 83.383,119.017 85.8,116.6 v1(85.8,115.9) ; v1(91.3,121.4) v1(92.7,122.8)
pads on no net: B1.H1 B1.H2 B1.H3 CN1.A8 CN1.B8 CN1.H1 CN1.H2 J1.1 J1.6 J1.7 J3.5 Q1.2 Q1.3 Q1.4 Q2.2 Q2.5 R13.7 R13.8 SW1.3 SW1.4 SW2.3 SW2.4 SW3.3 SW3.4 SW4.3 SW4.4 SW5.3 SW5.4 SW6.3 SW6.4 SW7.1 SW7.3 SW8.1 SW8.3 U1.5 U2.3 U3.22 U3.26 U3.27 U3.44 U7.5

## Polygon pours and split planes (outlines as drawn)
GND on Top Layer "TOP_POUR_MAIN" (solid, remove dead copper, pour order 3): 109.93,57.45 109.93,55 137.5,55 138.404,55.055 139.295,55.218 140.16,55.487 140.985,55.859 141.76,56.328 142.473,56.886 143.114,57.527 143.672,58.24 144.141,59.015 144.513,59.84 144.782,60.705 144.945,61.596 145,62.5 145,137.5 144.945,138.404 144.782,139.295 144.513,140.16 144.141,140.985 143.672,141.76 143.114,142.473 142.473,143.114 141.76,143.672 140.985,144.141 140.16,144.513 139.295,144.782 138.404,144.945 137.5,145 62.5,145 61.596,144.945 60.705,144.782 59.84,144.513 59.015,144.141 58.24,143.672 57.527,143.114 56.886,142.473 56.328,141.76 55.859,140.985 55.487,140.16 55.218,139.295 55.055,138.404 55,137.5 55,62.5 55.055,61.596 55.218,60.705 55.487,59.84 55.859,59.015 56.328,58.24 56.886,57.527 57.527,56.886 58.24,56.328 59.015,55.859 59.84,55.487 60.705,55.218 61.596,55.055 62.5,55 90.62,55 90.62,57.45
BST_VIN on Top Layer "+VBAT connect pour inner" (solid, pour order 1): 107.15,115.625 107.15,115.05 110.825,112.9 112.925,112.9 112.925,113.5 109.975,115.525 108.675,115.95 107.475,115.625
GND on Bottom Layer "BOTTOM_POUR_MAIN" (solid, remove dead copper, pour order 0): 109.93,57.45 109.93,55 137.5,55 138.404,55.055 139.295,55.218 140.16,55.487 140.985,55.859 141.76,56.328 142.473,56.886 143.114,57.527 143.672,58.24 144.141,59.015 144.513,59.84 144.782,60.705 144.945,61.596 145,62.5 145,137.5 144.945,138.404 144.782,139.295 144.513,140.16 144.141,140.985 143.672,141.76 143.114,142.473 142.473,143.114 141.76,143.672 140.985,144.141 140.16,144.513 139.295,144.782 138.404,144.945 137.5,145 62.5,145 61.596,144.945 60.705,144.782 59.84,144.513 59.015,144.141 58.24,143.672 57.527,143.114 56.886,142.473 56.328,141.76 55.859,140.985 55.487,140.16 55.218,139.295 55.055,138.404 55,137.5 55,62.5 55.055,61.596 55.218,60.705 55.487,59.84 55.859,59.015 56.328,58.24 56.886,57.527 57.527,56.886 58.24,56.328 59.015,55.859 59.84,55.487 60.705,55.218 61.596,55.055 62.5,55 90.62,55 90.62,57.45

## Other copper
Top Layer:
  pour cut-out: 53.75,120 61.5,120 61.5,102.894 61.356,102.75 53.75,102.75
Bottom Layer:
  pour cut-out: 53.75,120 61.5,120 61.5,102.894 61.356,102.75 53.75,102.75

## Silkscreen, mask and mechanical layers (free items; w line width, h text height)
Top Overlay:
  drawing of 3 lines, arcs and shapes, not listed
  text "Bodges needed:" at 66,135.9 h1
  text "3v3" at 99,124 h0.8 r45
  text "NEG" at 119.804,123 h4
  text "NEG" at 139,117.701 h3 r90
  text "Caution / 5G radiation :)" at 60.6,104.1 h1 r90
  text "SN:" at 87,91.8 h1
  text "RST" at 65.5,84.75 h2
  text "BOOT" at 65.75,78.5 h2
  text "POS" at 119.931,70.145 h4
  text "POS" at 139,69.896 h3 r90
Bottom Overlay:
  lines w0.3: 70.4,102.3 71.5,102.3 ; 70.45,124.6 71.55,124.6 ; 70.55,80 71.65,80 ; 79.125,57.525 81.65,57.5 ; 79.2,136.5 81.65,136.5 ; 81.65,56.25 81.65,57.5 ; 81.65,138.975 81.65,136.5 ; 97.95,142.3 99.05,142.3 ; 100.95,142.3 102.05,142.3 ; 118.35,56.3 118.35,57.5 ; 118.35,138.925 118.35,136.5 ; 120.8,136.5 118.35,136.5 ; 120.85,57.5 118.35,57.5 ; 128.45,80.1 129.55,80.1 ; 128.45,102.4 129.55,102.4 ; 128.45,124.6 129.55,124.6 ; 81.65,57.5 81.65,136.5 ; 81.65,136.5 118.35,136.5 ; 118.35,57.5 118.35,136.5
  text "Designed by Planinsek Industries in Slovenia" at 118.375,142.5 h0.8
BrdShape:
  the board outline again, w0.1

## Text inside footprints (layer, text, board x,y; h text height)
J3: Top Overlay "TMS" at 66.884,132.355 h0.8; Top Overlay "TX" at 61.546,125.119 h0.8; Top Overlay "TCK" at 71.895,132.355 h0.8; Top Overlay "nRST" at 66.755,124.105 h0.8; Top Overlay "USB" at 66.529,125.343 h1.3; Top Overlay "TDI" at 72.795,125.113 h0.8; Top Overlay "TDO" at 70.658,125.105 h0.8; Top Overlay "5V" at 61.974,132.356 h0.8; Top Overlay "3V3" at 64.142,132.355 h0.8; Top Overlay "GND" at 69.382,132.355 h0.8; Top Overlay "CMSIS-DAP" at 58.668,132.415 h1.3 r270; Top Overlay "RX" at 63.63,125.119 h0.8